# Altium PCB PCB1.PcbDoc (part 2 of 2)
Units mm, origin at the board's own origin, x right, y up, seen from the top; angles counter-clockwise.
Board outline 145 x 85 mm, 2 copper layers (Top Layer, Bottom Layer); 148 components, 104 nets, 508 pads, 93 vias.
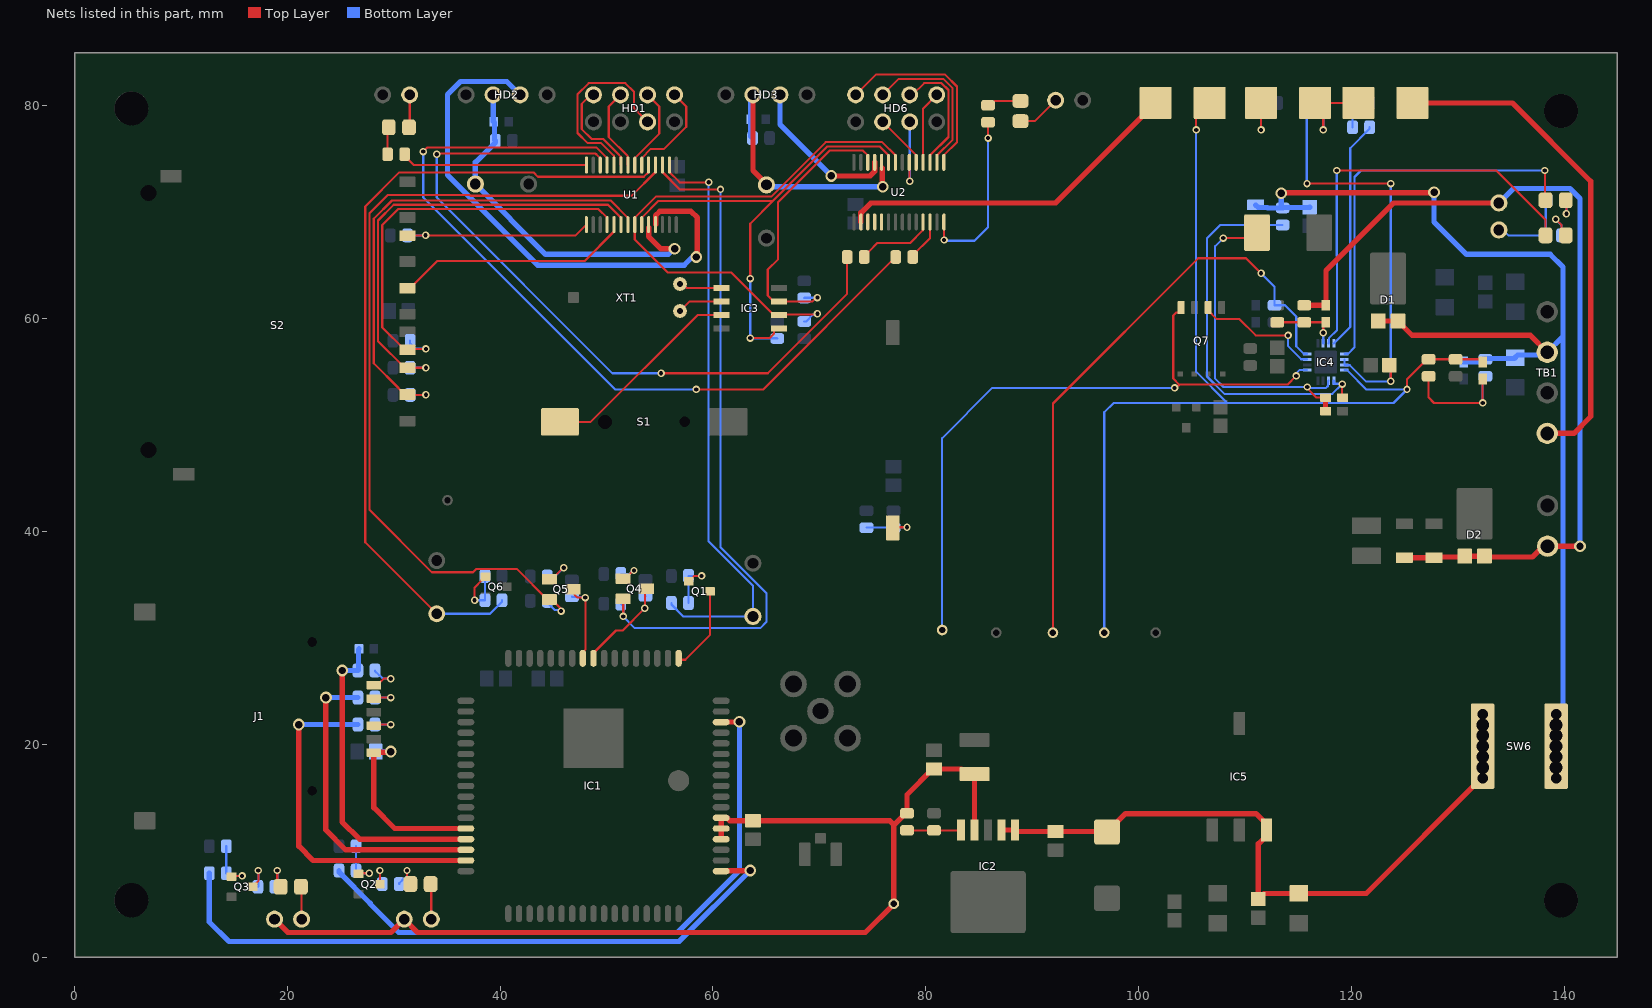
[diagram p2: the nets of this part, all layers, seen from the top]

## Via types
v1: diameter 0.7, hole 0.4, Top Layer to Bottom Layer, 67 vias
v2: diameter 1.1, hole 0.7, Top Layer to Bottom Layer, 26 vias

## Nets (pads, with @x,y where several pads share a name; then routed paths per layer and width w, separated by ;. In a path a pad name is that pad's centre, name@x,y a point inside that pad or via, vN(x,y) a via of type N, cw(c..) or ccw(c..) an arc to the next point about the centre after c; other vN are vias at no path point) (continued)
NetC26_1: C26.1 C27.1 IC4.10 L1.2 R37.1 | length 35
  Top Layer w0.2: v1(107.95,67.564) 110.617,67.564 L1.2@111.125,68.072 ; v1(115.843,53.568) 115.843,53.444 116.709,52.578 C27.1@117.564,52.578
  Top Layer w0.5: C26.1@117.564,51.308 C27.1@117.564,52.578
  Bottom Layer w0.2: R37.1@110.998,67.496 110.93,67.564 v1(107.95,67.564) 107.188,66.802 107.188,54.356 107.976,53.568 v1(115.843,53.568) 115.939,53.472 116.579,53.472 116.593,53.458 117.596,53.458 117.8,53.662 117.8,54.118 IC4.10@117.84,54.158
NetC27_2: C27.2 IC4.9 R41.2 | length 36.7
  Top Layer w0.2: v1(119.126,53.848) 119.126,52.616 C27.2@119.164,52.578
  Bottom Layer w0.2: R41.2@113.538,68.796 107.658,68.796 106.426,67.564 106.426,54.552 108.06,52.918 118.196,52.918 v1(119.126,53.848) 119.104,53.87 118.628,53.87 118.618,53.88 118.38,53.88 118.34,53.92 IC4.9@118.34,54.158
NetC28_1: C28.1 R43.2 R46.2 | length 12.1
  Top Layer w0.2: R46.2@127.254,54.572 127.254,52.578 127.762,52.07 v1(132.334,52.07) C28.1@132.334,54.318
  Bottom Layer w0.2: v1(132.334,52.07) 132.334,54.318 R43.2@132.588,54.572
NetC28_2: C28.2 IC4.8 R46.1 R49.1 SB3.2 TP7.1 | length 95.6
  Top Layer w0.2: v1(105.41,77.724) 105.41,78.994 SB3.2@106.68,80.264 ; v1(125.222,53.34) 125.222,54.29 127.104,56.172 R46.1@127.254,56.172 R49.1@129.794,56.172 132.08,56.172 C28.2@132.334,55.918
  Bottom Layer w0.2: TP7.1@96.774,30.48 96.774,51.191 97.653,52.07 108.343,52.07 ; v1(105.41,77.724) 105.41,55.003 108.343,52.07 ; IC4.8@119.34,55.158 119.6,55.158 119.64,55.118 119.64,55.104 121.404,53.34 v1(125.222,53.34) 123.952,52.07 108.343,52.07
NetC29_2: C29.2 IC4.6 IC4.7 R44.1 | length 41.1
  Top Layer w0.2: v1(115.824,72.682) v1(123.698,72.682) ; C29.2@123.557,55.626 123.698,55.485 v1(123.698,54.102)
  Bottom Layer w0.2: R44.1@115.786,80.264 115.805,80.245 115.805,72.701 v1(115.824,72.682) ; IC4.6@119.34,56.158 IC4.7@119.34,55.658 119.38,55.618 119.836,55.618 120.04,55.414 121.352,54.102 v1(123.698,54.102) v1(123.698,72.682)
NetC30_2: C30.2 IC4.2 R50.2 R53.2 | length 6.7
  Top Layer w0.2: R53.2@113.03,59.652 R50.2@115.57,59.652 C30.2@117.602,59.652 117.348,59.398 v1(117.348,58.674)
  Bottom Layer w0.2: IC4.2@117.34,57.658 117.348,57.666 v1(117.348,58.674)
NetHD1_2: HD1.2 U1.10 | length 18.3
  Top Layer w0.2: U1.10@50.699,74.428 50.684,74.443 50.684,75.3 49.492,76.492 48.222,76.492 47.268,77.446 47.268,81.082 48.312,82.126 51.764,82.126 52.578,81.312 52.578,79.756 HD1.2@53.848,78.486
NetHD1_5: HD1.5 U1.9 | length 9.4
  Top Layer w0.2: HD1.5@48.768,81.026 48.514,81.026 47.668,80.18 47.668,77.808 48.584,76.892 49.658,76.892 51.084,75.465 51.33,75.22 51.33,74.447 U1.9@51.349,74.428
NetHD1_6: HD1.6 U1.8 | length 7.8
  Top Layer w0.2: HD1.6@51.308,81.026 50.208,79.926 50.208,77.046 51.98,75.274 51.98,74.447 U1.8@51.999,74.428
NetHD1_7: HD1.7 U1.7 | length 8
  Top Layer w0.2: U1.7@52.649,74.428 52.649,75.078 54.948,77.377 54.948,79.926 HD1.7@53.848,81.026
NetHD1_8: HD1.8 U1.6 | length 9.5
  Top Layer w0.2: U1.6@53.299,74.428 53.299,75.078 54.167,75.946 55.404,75.946 57.488,78.03 57.488,79.926 HD1.8@56.388,81.026
NetHD6_2: HD6.2 U2.20 | length 7.4
  Top Layer w0.2: U2.20@78.445,74.682 78.464,74.663 78.464,72.923 v1(78.489,72.898)
  Bottom Layer w0.2: HD6.2@78.486,78.486 78.487,78.485 78.487,72.899 v1(78.489,72.898)
NetHD6_3: HD6.3 U2.19 | length 5.1
  Top Layer w0.2: HD6.3@75.946,78.486 79.095,75.337 U2.19@79.095,74.682
NetHD6_5: HD6.5 U2.15 | length 18.4
  Top Layer w0.2: HD6.5@73.406,81.026 75.306,82.926 81.813,82.926 82.926,81.813 82.926,76.563 81.695,75.332 U2.15@81.695,74.682
NetHD6_6: HD6.6 U2.16 | length 15.1
  Top Layer w0.2: HD6.6@75.946,81.026 77.446,82.526 81.647,82.526 82.526,81.647 82.526,76.813 81.045,75.332 U2.16@81.045,74.682
NetHD6_7: HD6.7 U2.17 | length 11.9
  Top Layer w0.2: HD6.7@78.486,81.026 78.74,81.026 79.84,82.126 81.482,82.126 82.126,81.482 82.126,77.063 80.395,75.332 U2.17@80.395,74.682
NetHD6_8: HD6.8 U2.18 | length 6.9
  Top Layer w0.2: U2.18@79.745,74.682 79.745,79.745 HD6.8@81.026,81.026
NetIC1_1: IC1.1 Q1.3 | length 8.1
  Top Layer w0.2: IC1.1@56.768,28.074 56.902,27.94 57.404,27.94 59.736,30.272 Q1.3@59.736,34.354
NetIC1_9: IC1.9 Q4.3 R11.2 | length 10.2
  Top Layer w0.2: IC1.9@48.768,28.074 48.768,28.574 50.881,30.687 51.515,30.687 v1(53.594,32.766) 53.594,34.452 Q4.3@53.756,34.614
  Bottom Layer w0.2: v1(53.594,32.766) 53.594,33.852 R11.2@53.656,33.914
NetIC1_10: IC1.10 Q5.3 R14.2 | length 8.8
  Top Layer w0.2: Q5.3@46.839,34.552 46.99,34.401 46.99,34.036 47.244,33.782 v1(48.006,33.782) 48.006,28.891 47.768,28.653 IC1.10@47.768,28.074
  Bottom Layer w0.2: R14.2@46.739,33.852 46.774,33.817 47.971,33.817 v1(48.006,33.782)
NetIC2_5: IC2.5 R20.2 R21.2 | length 5.1
  Top Layer w0.2: R20.2@78.232,11.9 R21.2@80.772,11.9 83.274,11.9 IC2.5@83.312,11.938
NetIC3_1: IC3.1 XT1.2 | length 4.1
  Top Layer w0.2: XT1.2@56.896,63.246 57.182,63.246 57.563,62.865 IC3.1@60.8,62.865
NetIC3_2: IC3.2 XT1.1 | length 4.3
  Top Layer w0.2: XT1.1@56.896,60.706 57.785,61.595 IC3.2@60.8,61.595
NetIC3_3: IC3.3 S1.1 | length 19.3
  Top Layer w0.2: S1.1@45.618,50.292 48.504,50.292 58.537,60.325 IC3.3@60.8,60.325
NetIC3_5: IC3.5 R25.1 U1.23 U2.23 | length 46.6
  Top Layer w0.2: U1.23@53.299,69.478 54.885,71.064 65.645,71.064 ; v1(63.5,58.166) 65.311,58.166 65.742,58.597 65.742,58.88 65.917,59.055 IC3.5@66.2,59.055 ; v1(63.5,63.754) 63.5,68.919 65.645,71.064 ; U2.23@76.495,74.682 76.495,75.332 75.645,76.182 70.763,76.182 65.645,71.064
  Bottom Layer w0.2: v1(63.5,63.754) v1(63.5,58.166) 63.519,58.147 66.021,58.147 R25.1@66.04,58.128
NetIC3_6: IC3.6 R24.1 U1.22 U2.22 | length 52.3
  Top Layer w0.2: v1(69.812,60.452) 69.748,60.389 65.661,60.389 61.724,64.326 55.758,64.326 52.649,67.435 52.649,69.478 54.635,71.464 65.48,71.464 70.598,76.582 75.895,76.582 77.145,75.332 U2.22@77.145,74.682
  Bottom Layer w0.2: R24.1@68.58,59.728 68.751,59.728 69.379,60.356 69.716,60.356 v1(69.812,60.452)
NetIC3_7: IC3.7 R23.1 U2.26 | length 26.8
  Top Layer w0.2: v1@69.85,61.976 69.715,61.976 69.334,61.595 IC3.7@66.2,61.595 65.725,61.595 65.15,62.17 65.15,64.608 66.124,65.582 66.124,70.95 70.956,75.782 74.095,75.782 74.545,75.332 U2.26@74.545,74.682
  Bottom Layer w0.2: R23.1@68.58,61.938 68.599,61.957 69.793,61.957 v1(69.812,61.976)
NetIC4_3: IC4.3 LED5.2 | length 39.6
  Top Layer w0.2: v1(118.618,73.914) 133.604,73.914 138.242,69.276 LED5.2@138.242,67.818
  Bottom Layer w0.2: IC4.3@117.84,57.658 117.88,57.698 117.88,58.154 118.654,58.928 118.654,65.827 118.618,65.863 v1(118.618,73.914)
NetIC4_4: IC4.4 R45.2 | length 21.7
  Bottom Layer w0.2: IC4.4@118.34,57.658 119.888,59.206 119.888,76.012 121.704,77.828 R45.2@121.704,77.978
NetIC4_5: IC4.5 LED6.2 | length 38.2
  Top Layer w0.2: v1(138.176,73.914) 138.176,71.186 LED6.2@138.242,71.12
  Bottom Layer w0.2: IC4.5@119.34,56.658 119.38,56.698 119.69,56.698 120.288,57.296 120.288,73.298 120.904,73.914 v1(138.176,73.914)
NetIC4_13: IC4.13 Q7.4 TP4.1 | length 63.1
  Top Layer w0.2: v1(103.378,53.482) 103.513,53.482 103.759,53.727 103.769,53.727 103.829,53.787 ; Q7.4@103.998,61.037 103.998,60.797 103.773,60.572 103.533,60.572 103.253,60.292 103.253,54.363 103.829,53.787 ; v1(114.808,54.61) 113.985,53.787 103.829,53.787
  Bottom Layer w0.2: TP4.1@81.534,30.734 81.534,48.768 86.248,53.482 v1(103.378,53.482) ; v1(114.808,54.61) 114.808,54.864 115.102,55.158 IC4.13@115.84,55.158
NetIC4_15: IC4.15 Q7.2 | length 12.1
  Top Layer w0.2: Q7.2@106.538,61.037 106.538,60.762 107.356,59.944 109.474,59.944 110.998,58.42 v1(114.046,58.42)
  Bottom Layer w0.2: v1(114.046,58.42) 114.046,57.405 115.273,56.178 115.82,56.178 IC4.15@115.84,56.158
NetIC4_16: IC4.16 R38.1 TP3.1 | length 57.5
  Top Layer w0.2: TP3.1@91.948,30.48 91.948,52.014 105.608,65.674 110.094,65.674 v1(111.506,64.262)
  Bottom Layer w0.2: v1(111.506,64.262) 112.776,62.992 R38.1@112.776,61.252 113.754,61.252 114.808,60.198 114.808,57.404 115.514,56.698 115.8,56.698 IC4.16@115.84,56.658
NetJ1_2: J1.2 R19.1 | length 3.1
  Top Layer w0.2: J1.2@28.127,21.746 28.225,21.844 v1(29.718,21.844)
  Bottom Layer w0.2: R19.1@28.232,21.844 v1(29.718,21.844)
NetJ1_3: J1.3 R18.1 | length 3.1
  Top Layer w0.2: J1.3@28.127,24.286 28.225,24.384 v1(29.718,24.384)
  Bottom Layer w0.2: R18.1@28.232,24.384 v1(29.718,24.384)
NetJ1_7: J1.7 R17.1 | length 3.7
  Top Layer w0.2: J1.7@28.127,25.556 28.427,25.856 28.754,25.856 29.06,26.162 v1(29.718,26.162)
  Bottom Layer w0.2: R17.1@28.232,26.924 28.232,26.855 28.621,26.467 28.689,26.467 28.994,26.162 v1(29.718,26.162)
NetJP1_1: JP1.1 LED1.1 | length 3.3
  Top Layer w0.2: LED1.1@33.462,6.858 33.528,6.792 JP1.1@33.528,3.556
NetJP2_1: JP2.1 LED2.1 | length 3.1
  Top Layer w0.2: LED2.1@21.27,6.604 21.336,6.538 JP2.1@21.336,3.556
NetJP3_1: JP3.1 LED3.1 | length 3.1
  Top Layer w0.2: LED3.1@31.43,77.978 31.496,78.044 JP3.1@31.496,81.026
NetJP4_1: JP4.1 LED4.1 | length 4.1
  Top Layer w0.2: LED4.1@88.9,78.552 90.236,78.552 JP4.1@92.202,80.518
NetJP5_1: JP5.1 R51.1 R52.1 | length 7.9
  Bottom Layer w0.2: JP5.1@133.858,68.326 134.237,68.326 134.745,67.818 R51.1@138.138,67.818 138.265,67.945 138.265,70.993 R52.1@138.392,71.12
NetLED1_2: LED1.2 R2.2 | length 3
  Top Layer w0.2: v1(31.242,8.128) 31.258,8.112 31.258,7.162 LED1.2@31.562,6.858
  Bottom Layer w0.2: R2.2@30.518,6.858 30.518,6.927 30.963,7.372 31.032,7.372 31.242,7.582 v1(31.242,8.128)
NetLED2_2: LED2.2 R3.2 | length 3.3
  Top Layer w0.2: v1(19.05,8.128) 19.05,6.924 LED2.2@19.37,6.604
  Bottom Layer w0.2: R3.2@18.834,6.604 19.05,6.82 v1(19.05,8.128)
NetLED3_2: LED3.2 R26.1 | length 2.6
  Top Layer w0.2: R26.1@29.426,75.438 29.426,77.874 LED3.2@29.53,77.978
NetLED4_2: LED4.2 R28.1 | length 3.2
  Top Layer w0.2: R28.1@85.852,80.048 86.083,80.048 86.487,80.452 LED4.2@88.9,80.452
NetLED5_1: LED5.1 R51.2 | length 3.7
  Top Layer w0.2: v1(139.192,69.342) 139.731,68.803 139.731,68.229 LED5.1@140.142,67.818
  Bottom Layer w0.2: v1(139.192,69.342) 139.192,69.3 139.738,68.754 R51.2@139.738,67.818
NetLED6_1: LED6.1 R52.2 | length 2.7
  Top Layer w0.2: LED6.1@140.142,71.12 140.208,71.054 v1(140.208,69.85)
  Bottom Layer w0.2: R52.2@139.992,71.12 140.208,70.904 v1(140.208,69.85)
NETLIGHT: IC1.52 R6.2 | length 61.7
  Top Layer w0.5: IC1.52@60.768,8.074 60.787,8.093 63.465,8.093 v2(63.5,8.128)
  Bottom Layer w0.5: R6.2@12.662,7.874 12.662,3.305 14.517,1.45 56.822,1.45 v2(63.5,8.128)
NetQ1_1: Q1.1 R1.2 R4.1 | length 5.2
  Top Layer w0.2: Q1.1@57.736,35.304 57.786,35.304 58.086,35.604 58.086,35.654 58.246,35.814 v1(58.928,35.814)
  Bottom Layer w0.2: R1.2@57.696,33.274 R4.1@57.696,35.814 v1(58.928,35.814)
NetQ2_1: Q2.1 R5.1 R7.1 | length 4.7
  Top Layer w0.2: Q2.1@26.686,7.808 26.752,7.874 v1(27.686,7.874)
  Bottom Layer w0.2: R7.1@26.454,10.414 R5.1@26.454,8.128 26.708,7.874 v1(27.686,7.874)
NetQ2_3: Q2.3 R2.1 | length 2.6
  Top Layer w0.2: Q2.3@28.686,6.858 28.702,6.874 v1(28.702,8.128)
  Bottom Layer w0.2: v1(28.702,8.128) 28.702,7.074 R2.1@28.918,6.858
NetQ3_1: Q3.1 R6.1 R8.1 | length 5.2
  Top Layer w0.2: Q3.1@14.748,7.554 14.814,7.62 v1(15.748,7.62)
  Bottom Layer w0.2: R8.1@14.262,10.414 R6.1@14.262,7.874 14.516,7.62 v1(15.748,7.62)
NetQ3_3: Q3.3 R3.1 | length 3.3
  Top Layer w0.2: Q3.3@16.748,6.604 16.798,6.604 17.098,6.904 17.098,6.954 17.272,7.128 v1(17.272,8.128)
  Bottom Layer w0.2: R3.1@17.234,6.604 17.272,6.642 v1(17.272,8.128)
NetQ4_1: Q4.1 R9.1 | length 2.7
  Top Layer w0.2: Q4.1@51.556,35.564 51.756,35.564 52.514,36.322 v1(52.578,36.322)
  Bottom Layer w0.2: R9.1@51.346,35.99 52.146,35.99 52.478,36.322 v1(52.578,36.322)
NetQ4_2: Q4.2 R10.2 U1.3 | length 66.3
  Top Layer w0.2: Q4.2@51.556,33.664 51.562,33.658 v1(51.562,32.004) ; U1.3@55.249,74.428 55.249,73.778 56.891,72.136 v1(60.706,72.136)
  Bottom Layer w0.2: R10.2@51.346,33.196 51.562,32.98 v1(51.562,32.004) 52.662,30.904 64.432,30.904 65.024,31.496 65.024,34.178 60.706,38.496 v1(60.706,72.136)
NetQ5_1: Q5.1 R12.1 | length 3.7
  Top Layer w0.2: Q5.1@44.639,35.502 44.839,35.502 45.913,36.576 v1(45.974,36.576)
  Bottom Layer w0.2: R12.1@44.429,35.758 44.439,35.768 45.166,35.768 v1(45.974,36.576)
NetQ5_2: Q5.2 R13.2 U1.4 | length 81.2
  Top Layer w0.2: v1(45.72,32.512) 45.72,32.721 44.839,33.602 Q5.2@44.639,33.602 44.439,33.602 41.593,36.448 37.732,36.448 37.442,36.158 33.58,36.158 27.721,42.017 27.721,69.885 29.464,71.628 37.132,71.628 37.216,71.544 52.365,71.544 54.599,73.778 U1.4@54.599,74.428
  Bottom Layer w0.2: R13.2@44.429,33.472 44.429,33.322 45.143,32.608 45.624,32.608 v1(45.72,32.512)
NetQ6_1: Q6.1 R15.2 R16.1 | length 5.9
  Top Layer w0.2: v1(37.592,33.528) 37.592,34.716 38.274,35.398 38.274,35.448 38.574,35.748 Q6.1@38.624,35.748
  Bottom Layer w0.2: v1(37.592,33.528) R15.2@38.57,33.528 R16.1@38.57,35.814
NetR1_1: R1.1 SW1.1 U1.2 | length 55.5
  Top Layer w0.2: U1.2@55.899,74.428 55.899,73.778 56.876,72.801 v1(59.592,72.801)
  Bottom Layer w0.2: R1.1@56.096,33.274 56.096,33.124 57.216,32.004 SW1.1@63.754,32.004 63.754,34.883 59.592,39.045 v1(59.592,72.801)
NetR15_1: R15.1 SW2.1 U1.5 | length 76.8
  Top Layer w0.2: SW2.1@34.036,32.258 27.321,38.973 27.321,70.539 30.526,73.744 43.128,73.744 43.544,73.328 53.499,73.328 53.949,73.778 U1.5@53.949,74.428
  Bottom Layer w0.2: SW2.1@34.036,32.258 39.05,32.258 40.17,33.378 R15.1@40.17,33.528
NetR26_2: R26.2 U1.14 | length 17.6
  Top Layer w0.2: R26.2@31.026,75.438 31.026,75.288 31.886,74.428 U1.14@48.099,74.428
NetR28_2: R28.2 U2.14 | length 16.3
  Top Layer w0.2: U2.14@81.695,69.082 81.714,69.063 v1(81.714,67.384) ; v1(85.852,76.962) R28.2@85.852,78.448
  Bottom Layer w0.2: v1(81.714,67.384) 81.788,67.31 84.582,67.31 85.852,68.58 v1(85.852,76.962)
NetR29_1: R29.1 U2.11 | length 7.4
  Top Layer w0.2: R29.1@74.206,65.786 74.206,65.855 74.685,66.334 75.447,67.096 78.526,67.096 79.726,68.296 79.726,69.063 U2.11@79.745,69.082
NetR29_2: R29.2 U1.12 | length 72.3
  Top Layer w0.2: v1(34.036,75.442) 34.122,75.528 48.935,75.528 49.021,75.442 49.035,75.442 49.399,75.078 U1.12@49.399,74.428 ; v1(55.118,54.864) 65.143,54.864 72.606,62.327 R29.2@72.606,65.786
  Bottom Layer w0.2: v1(34.036,75.442) 34.036,71.374 50.546,54.864 v1(55.118,54.864)
NetR30_1: R30.1 U2.12 | length 4
  Top Layer w0.2: R30.1@78.778,65.786 78.778,65.936 80.395,67.553 U2.12@80.395,69.082
NetR30_2: R30.2 U1.11 | length 79.9
  Top Layer w0.2: v1(32.766,75.692) 33.166,76.092 49.035,76.092 50.049,75.078 U1.11@50.049,74.428 ; v1(58.42,53.34) 64.732,53.34 76.721,65.329 76.789,65.329 77.178,65.717 R30.2@77.178,65.786
  Bottom Layer w0.2: v1(32.766,75.692) 32.766,71.374 50.8,53.34 v1(58.42,53.34)
NetR31_1: R31.1 S2.1 U1.21 | length 47.1
  Top Layer w0.2: v1(33.02,52.832) 31.303,52.832 S2.1@31.271,52.864 31.021,52.864 30.621,53.264 30.621,53.292 30.451,53.462 30.44,53.473 28.121,55.792 28.121,69.384 29.831,71.094 50.383,71.094 51.999,69.478 U1.21@51.999,68.828
  Bottom Layer w0.2: R31.1@31.534,52.832 v1(33.02,52.832)
NetR32_1: R32.1 S2.2 U1.20 | length 43
  Top Layer w0.2: v1(33.02,55.372) 31.279,55.372 S2.2@31.271,55.364 31.021,55.364 28.521,57.864 28.521,69.219 29.996,70.694 50.133,70.694 51.349,69.478 U1.20@51.349,68.828
  Bottom Layer w0.2: R32.1@31.534,55.372 v1(33.02,55.372)
NetR33_1: R33.1 S2.CD U1.18 | length 39.3
  Top Layer w0.2: v1(33.02,57.15) 31.357,57.15 S2.CD@31.271,57.064 31.021,57.064 28.921,59.164 28.921,68.789 30.426,70.294 49.233,70.294 50.049,69.478 U1.18@50.049,68.828
  Bottom Layer w0.2: R33.1@31.534,57.912 31.534,57.683 32.05,57.166 33.004,57.166 v1(33.02,57.15)
NetR34_1: R34.1 S2.7 U1.15 | length 19
  Top Layer w0.2: S2.7@31.271,67.794 31.295,67.818 47.089,67.818 U1.15@48.099,68.828
  Bottom Layer w0.2: R34.1@31.28,67.818 v1(32.986,67.818)
NetR35_2: R35.2 R36.2 SW5.2 | length 5.2
  Top Layer w0.2: SW5.2@76.896,40.332 76.95,40.386 v1(78.232,40.386)
  Bottom Layer w0.2: R35.2@74.422,40.348 R36.2@76.962,40.348 76.981,40.367 78.213,40.367 v1(78.232,40.386)
NetR44_2: R44.2 R45.1 R48.1 SB1.1 SB2.1 | length 14.5
  Top Layer w0.2: v1(117.348,77.724) 117.348,79.502 SB2.1@116.586,80.264 SB1.1@120.65,80.264
  Bottom Layer w0.2: v1(117.348,77.724) 117.367,77.743 117.367,80.245 R44.2@117.386,80.264 R48.1@120.104,80.264 R45.1@120.104,77.978
NetR47_1: R47.1 SB2.2 | length 5.1
  Top Layer w0.2: v1(111.506,77.724) SB2.2@111.506,80.264
  Bottom Layer w0.2: R47.1@111.468,80.264 111.487,80.245 111.487,77.743 v1(111.506,77.724)
NetS2_5: S2.5 U1.19 | length 22.3
  Top Layer w0.2: S2.5@31.271,62.864 31.521,62.864 34.071,65.414 47.935,65.414 50.699,68.178 U1.19@50.699,68.828
NetSB1_2: SB1.2 TB1.4 | length 46.7
  Top Layer w0.5: SB1.2@125.73,80.264 135.128,80.264 142.494,72.898 142.494,50.8 140.906,49.212 TB1.4@138.4,49.212
NetSB3_1: SB3.1 U2.2 | length 32.8
  Top Layer w0.5: U2.2@73.895,69.082 73.895,69.931 74.83,70.866 92.202,70.866 SB3.1@101.6,80.264
NetU2_3: U2.3
NetU2_4: U2.4
NetU2_5: U2.5
RST: C11.1 HD2.3 R22.1 SW3.2 U1.24 | length 34.7
  Top Layer w0.5: U1.24@53.949,68.566 53.949,67.717 55.118,66.548 v2(56.388,66.548)
  Bottom Layer w0.5: HD2.3@39.332,81.026 39.363,80.995 39.363,78.517 C11.1@39.394,78.486 39.471,78.409 39.471,76.785 R22.1@39.548,76.708 39.548,76.558 37.672,74.682 SW3.2@37.672,72.644 44.276,66.04 55.795,66.04 56.303,66.548 v2(56.388,66.548)
RST2: C12.1 HD3.3 R27.1 SW4.2 U2.24 | length 26
  Top Layer w0.5: HD3.3@63.754,81.026 63.754,73.907 65.024,72.637 SW4.2@65.024,72.564 ; U2.24@75.895,74.132 75.895,72.441 v2(75.946,72.39)
  Bottom Layer w0.5: R27.1@63.716,76.962 63.562,77.116 63.562,80.834 HD3.3@63.754,81.026 ; SW4.2@65.024,72.564 65.198,72.39 v2(75.946,72.39)
SIM_CLK: IC1.32 R18.2 | length 29.4
  Top Layer w0.5: v2(23.622,24.384) 23.622,11.938 25.486,10.074 IC1.32@36.768,10.074
  Bottom Layer w0.5: v2(23.622,24.384) R18.2@26.632,24.384
SIM_DATA: C4.1 IC1.31 R17.2 | length 30.1
  Top Layer w0.5: v2(25.146,26.924) 25.146,12.7 26.772,11.074 IC1.31@36.768,11.074
  Bottom Layer w0.5: v2(25.146,26.924) R17.2@26.632,26.924 26.682,26.974 26.682,28.906 C4.1@26.732,28.956
SIM_RST: IC1.33 R19.2 | length 33.2
  Top Layer w0.5: v2(21.082,21.844) 21.082,10.414 22.422,9.074 IC1.33@36.768,9.074
  Bottom Layer w0.5: v2(21.082,21.844) R19.2@26.632,21.844
SIM_VDD: C5.1 IC1.30 J1.1 | length 17.7
  Top Layer w0.5: v2(29.718,19.304) 29.669,19.255 28.176,19.255 J1.1@28.127,19.206 28.127,14.037 30.09,12.074 IC1.30@36.768,12.074
  Bottom Layer w0.5: C5.1@28.307,19.304 v2(29.718,19.304)
STATUS: IC1.66 R5.2 | length 58.3
  Top Layer w0.5: IC1.66@60.768,22.074 60.78,22.086 62.472,22.086 v2(62.484,22.098)
  Bottom Layer w0.5: R5.2@24.854,8.128 24.854,7.978 27.787,5.045 27.787,4.989 30.47,2.306 56.662,2.306 62.484,8.128 v2(62.484,22.098)
TEST: HD2.2 U1.25 | length 51.5
  Top Layer w0.5: U1.25@54.61,68.844 54.61,69.688 55,70.078 55.498,70.078 56.108,70.078 57.938,70.078 58.535,69.481 58.535,65.901 v2(58.42,65.786)
  Bottom Layer w0.5: HD2.2@41.872,81.026 40.622,82.276 36.274,82.276 35.052,81.054 35.052,73.496 43.524,65.024 57.303,65.024 57.95,65.671 58.305,65.671 v2(58.42,65.786)
TEST2: HD3.2 U2.25 | length 14.7
  Top Layer w0.5: v2(71.12,73.406) 74.768,73.406 75.195,73.833 U2.25@75.195,74.682
  Bottom Layer w0.5: HD3.2@66.294,81.026 66.294,78.232 v2(71.12,73.406)
VBAT: C6.1 C7.1 C31.1 C33.1 IC2.1 IC2.2 IC5.3 SW6.2 | length 65.2
  Top Layer w0.5: IC2.2@87.122,11.938 IC2.1@88.392,11.938 88.392,11.927 88.522,11.797 C7.1@92.202,11.797 96.987,11.797 C6.1@97.028,11.756 97.058,11.756 98.77,13.468 111.029,13.468 112.014,12.483 IC5.3@112.014,11.938 112.014,11.393 111.252,10.631 C33.1@111.252,5.447 111.777,5.972 C31.1@115.062,5.972 121.394,5.972 132.234,16.812 SW6.2@132.334,16.812 SW6.2@132.334,17.812 SW6.2@132.334,18.812 SW6.2@132.334,19.812 SW6.2@132.334,20.812 SW6.2@132.334,21.812 SW6.2@132.334,22.812
VPIN: C30.1 D2.1 D2.2 JP5.2 R39.1 R40.1 R50.1 TB2.2 | length 82.4
  Top Layer w0.5: R50.1@115.57,61.252 C30.1@117.602,61.252 117.602,64.516 123.952,70.866 JP5.2@133.858,70.866 ; R39.1@124.968,37.524 R40.1@127.762,37.524 127.837,37.599 130.577,37.599 D2.2@130.652,37.674 D2.1@132.492,37.674 132.574,37.592 137.008,37.592 138.024,38.608 v2(141.478,38.608)
  Bottom Layer w0.5: JP5.2@133.858,70.866 135.212,72.22 140.532,72.22 141.478,71.274 v2(141.478,38.608)
VPOUT: C20.1 C21.1 C24.2 D1.1 D1.2 R37.2 R41.1 R43.1 SW6.1 TB1.2 | length 113.5
  Top Layer w0.5: v2(113.399,71.767) 113.456,71.825 127.705,71.825 v2(127.762,71.882) ; D1.2@122.524,59.772 D1.1@124.364,59.772 124.364,59.767 124.809,59.322 124.814,59.322 125.716,58.42 136.812,58.42 TB1.2@138.4,56.832
  Bottom Layer w0.5: R37.2@110.998,70.68 111.248,70.43 112.104,70.43 112.138,70.396 R41.1@113.538,70.396 ; v2(113.399,71.767) 113.399,70.535 R41.1@113.538,70.396 ; C21.1@116.078,70.471 116.04,70.433 113.575,70.433 R41.1@113.538,70.396 ; v2(127.762,71.882) 127.762,69.088 130.81,66.04 138.684,66.04 139.88,64.844 139.88,58.312 ; C24.2@130.556,55.918 132.184,55.918 132.515,56.249 135.305,56.249 C20.1@135.382,56.327 135.635,56.579 138.147,56.579 TB1.2@138.4,56.832 139.88,58.312 ; SW6.1@139.234,16.812 SW6.1@139.234,17.812 SW6.1@139.234,18.812 SW6.1@139.234,19.812 SW6.1@139.234,20.812 SW6.1@139.234,21.812 SW6.1@139.234,22.812 139.88,23.458 139.88,58.312
VSIM: C2.1 C8.1 C9.1 IC1.55 IC1.56 IC1.57 IC2.4 JP1.2 JP2.2 R20.1 TP2.1 | length 103
  Top Layer w0.5: JP2.2@18.796,3.556 20.046,2.306 29.738,2.306 JP1.2@30.988,3.556 32.238,2.306 74.306,2.306 TP2.1@77,5 77,12.418 ; IC1.55@60.768,11.074 IC1.56@60.768,12.074 IC1.57@60.768,13.074 61.295,13.074 61.556,12.813 C2.1@63.754,12.813 76.605,12.813 77,12.418 ; IC2.4@84.582,11.938 C8.1@84.582,17.196 83.832,17.196 83.361,17.667 C9.1@80.772,17.667 80.647,17.667 78.232,15.252 R20.1@78.232,13.5 78.082,13.5 77,12.418
pads on no net: D3.3 Hole1.1 Hole2.1 Hole3.1 Hole4.1 IC1.2 IC1.3 IC1.4 IC1.5 IC1.6 IC1.7 IC1.8 IC1.11 IC1.12 IC1.13 IC1.14 IC1.19 IC1.20 IC1.21 IC1.22 IC1.23 IC1.24 IC1.25 IC1.26 IC1.27 IC1.28 IC1.34 IC1.35 IC1.36 IC1.37 IC1.38 IC1.40 IC1.41 IC1.42 IC1.43 IC1.44 IC1.47 IC1.48 IC1.49 IC1.50 IC1.51 IC1.67 IC1.68 IC1.69 IC1.70 J1.6 J1.HOLE1 J1.HOLE2 J1.PAD1 J1.PAD2 S1.hole1 S1.hole2 S2.8 S2.9 S2.GND1 S2.GND2 S2.HOLE S2.HOLE1 S2.WP U1.13 U1.16 U1.17 U1.26 U1.27 U2.6 U2.7 U2.8 U2.9 U2.13 U2.21 U2.27

## Polygon pours and split planes (outlines as drawn)
GND on Top Layer "GND_L01_P000" (solid, pour order 0): 0,0 145.034,0 145.034,85.09 144.947,85.003 0.001,85.003
GND on Bottom Layer "GND_L02_P001" (solid, pour order 1): 0,0 145.034,0 145.034,85.09 0,85.09

## Keep-outs
Keep-Out Layer:
  the board outline again, w2

## Silkscreen, mask and mechanical layers (free items; w line width, h text height)
Mechanical 1:
  lines w0.3: 85.027,40.326 130.027,40.326 ; 85.027,55.576 130.027,55.576 ; 85.027,70.826 130.027,70.826 ; 85.048,36.576 85.048,74.576 130.048,74.576 130.048,36.576 85.048,36.576
Drill Drawing:
  circle w0.254: c-21.289,125.053 r0.847
  lines w0.254: -22.135,105.156 -20.442,105.156 -20.442,106.849 -22.135,106.849 -22.135,105.156 ; -22.135,109.389 -21.712,109.389 -21.289,108.966 -20.865,109.389 -20.442,109.389 -20.865,109.813 -20.442,110.236 -20.865,110.236 -21.289,110.659 -21.712,110.236 -22.135,110.236 -21.712,109.813 -22.135,109.389 ; -22.135,114.469 -20.442,114.469 -21.289,112.776 -22.135,114.469 ; -22.135,118.279 -20.442,118.279 -21.289,116.586 -22.135,118.279 ; -22.135,120.396 -20.442,120.396 -20.442,122.089 -22.135,122.089 -22.135,120.396 ; -22.135,128.016 -22.135,128.439 -21.712,128.863 -22.135,129.286 -22.135,129.709 -21.712,129.709 -21.289,129.286 -20.865,129.709 -20.442,129.709 -20.442,129.286 -20.865,128.863 -20.442,128.439 -20.442,128.016 -20.865,128.016 -21.289,128.439 -21.712,128.016 -22.135,128.016 ; -22.135,132.673 -21.289,131.826 -20.442,132.673 -21.289,133.519 -22.135,132.673 ; -22.135,135.636 -21.289,136.059 -20.442,135.636 -20.865,136.483 -20.442,137.329 -21.289,136.906 -22.135,137.329 -21.712,136.483 -22.135,135.636 ; -22.135,139.869 -21.712,139.869 -21.712,139.446 -20.865,139.446 -20.865,139.869 -20.442,139.869 -20.442,140.716 -20.865,140.716 -20.865,141.139 -21.712,141.139 -21.712,140.716 -22.135,140.716 -22.135,139.869 ; -21.797,105.495 -20.781,105.495 -20.781,106.511 -21.797,106.511 -21.797,105.495 ; -21.797,114.131 -20.781,114.131 -21.289,113.115 -21.797,114.131
  lines w0.381: -23.654,104.013 273.645,104.013 ; -23.654,142.113 273.645,142.113 ; -9.662,100.203 -9.662,145.923 ; 5.32,100.203 5.32,145.923 ; 34.522,100.203 34.522,145.923 ; 47.371,100.203 47.371,145.923 ; 66.01,100.203 66.01,145.923 ; 104.098,100.203 104.098,145.923 ; 119.08,100.203 119.08,145.923 ; 146.758,100.203 146.758,145.923 ; 183.069,100.203 183.069,145.923 ; 204.755,100.203 204.755,145.923 ; 238.629,100.203 238.629,145.923 ; -23.654,100.203 273.645,100.203 273.645,145.923 -23.654,145.923 -23.654,100.203
  text "Symbol" at -21.368,143.256 h1.83
  text "Count" at -8.519,143.256 h1.83
  text "Hole Size" at 6.463,143.256 h1.83
  text "Plated" at 35.665,143.256 h1.83
  text "Hole Type" at 48.514,143.256 h1.83
  text "Drill Layer Pair" at 67.153,143.256 h1.83
  text "Via/Pad" at 105.241,143.256 h1.83
  text "Pad Shape" at 120.223,143.256 h1.83
  text "Template" at 147.901,143.256 h1.83
  text "Description" at 184.212,143.256 h1.83
  text "Hole Tolerance (+)" at 205.898,143.256 h1.83
  text "Hole Tolerance (-)" at 239.772,143.256 h1.83
  text "2" at -8.519,139.446 h1.52
  text "0.900mm (35.43mil)" at 6.463,139.446 h1.52
  text "PTH" at 35.665,139.446 h1.52
  text "Round" at 48.514,139.446 h1.52
  text "Top Layer - Bottom Layer" at 67.153,139.446 h1.52
  text "Pad" at 105.241,139.446 h1.52
  text "Rounded Rectangle" at 120.223,139.446 h1.52
  text "s0h90r10m10" at 147.901,139.446 h1.52
  text "3" at -8.519,135.636 h1.52
  text "1.500mm (59.06mil)" at 6.463,135.636 h1.52
  text "PTH" at 35.665,135.636 h1.52
  text "Round" at 48.514,135.636 h1.52
  text "Top Layer - Bottom Layer" at 67.153,135.636 h1.52
  text "Pad" at 105.241,135.636 h1.52
  text "Rounded" at 120.223,135.636 h1.52
  text "(Mixed)" at 147.901,135.636 h1.52
  text "4" at -8.519,131.826 h1.52
  text "1.600mm (62.99mil)" at 6.463,131.826 h1.52
  text "PTH" at 35.665,131.826 h1.52
  text "Round" at 48.514,131.826 h1.52
  text "Top Layer - Bottom Layer" at 67.153,131.826 h1.52
  text "Pad" at 105.241,131.826 h1.52
  text "Rounded" at 120.223,131.826 h1.52
  text "c250h160m260" at 147.901,131.826 h1.52
  text "4" at -8.519,128.016 h1.52
  text "3.200mm (125.98mil)" at 6.463,128.016 h1.52
  text "PTH" at 35.665,128.016 h1.52
  text "Round" at 48.514,128.016 h1.52
  text "Top Layer - Bottom Layer" at 67.153,128.016 h1.52
  text "Pad" at 105.241,128.016 h1.52
  text "Rounded" at 120.223,128.016 h1.52
  text "c320h320m330" at 147.901,128.016 h1.52
  text "7" at -8.519,124.206 h1.52
  text "1.300mm (51.18mil)" at 6.463,124.206 h1.52
  text "PTH" at 35.665,124.206 h1.52
  text "Round" at 48.514,124.206 h1.52
  text "Top Layer - Bottom Layer" at 67.153,124.206 h1.52
  text "Pad" at 105.241,124.206 h1.52
  text "Rounded" at 120.223,124.206 h1.52
  text "(Mixed)" at 147.901,124.206 h1.52
  text "9" at -8.519,120.396 h1.52
  text "0.600mm (23.62mil)" at 6.463,120.396 h1.52
  text "PTH" at 35.665,120.396 h1.52
  text "Round" at 48.514,120.396 h1.52
  text "Top Layer - Bottom Layer" at 67.153,120.396 h1.52
  text "Pad" at 105.241,120.396 h1.52
  text "Rounded" at 120.223,120.396 h1.52
  text "(Mixed)" at 147.901,120.396 h1.52
  text "10" at -8.519,116.586 h1.52
  text "1.200mm (47.24mil)" at 6.463,116.586 h1.52
  text "PTH" at 35.665,116.586 h1.52
  text "Round" at 48.514,116.586 h1.52
  text "Top Layer - Bottom Layer" at 67.153,116.586 h1.52
  text "Pad" at 105.241,116.586 h1.52
  text "Rounded Rectangle" at 120.223,116.586 h1.52
  text "r220_130h120r10m230_140" at 147.901,116.586 h1.52
  text "26" at -8.519,112.776 h1.52
  text "0.700mm (27.56mil)" at 6.463,112.776 h1.52
  text "PTH" at 35.665,112.776 h1.52
  text "Round" at 48.514,112.776 h1.52
  text "Top Layer - Bottom Layer" at 67.153,112.776 h1.52
  text "Via" at 105.241,112.776 h1.52
  text "Rounded" at 120.223,112.776 h1.52
  text "v110h70" at 147.901,112.776 h1.52
  text "47" at -8.519,108.966 h1.52
  text "1.000mm (39.37mil)" at 6.463,108.966 h1.52
  text "PTH" at 35.665,108.966 h1.52
  text "Round" at 48.514,108.966 h1.52
  text "Top Layer - Bottom Layer" at 67.153,108.966 h1.52
  text "Pad" at 105.241,108.966 h1.52
  text "(Mixed)" at 120.223,108.966 h1.52
  text "(Mixed)" at 147.901,108.966 h1.52
  text "67" at -8.519,105.156 h1.52
  text "0.400mm (15.75mil)" at 6.463,105.156 h1.52
  text "PTH" at 35.665,105.156 h1.52
  text "Round" at 48.514,105.156 h1.52
  text "Top Layer - Bottom Layer" at 67.153,105.156 h1.52
  text "Via" at 105.241,105.156 h1.52
  text "Rounded" at 120.223,105.156 h1.52
  text "v70h40" at 147.901,105.156 h1.52
  text "179 Total" at -8.519,101.346 h1.52

## Dimensions
130.048,74.576 to 130.048,36.576 on Mechanical 10
85.048,74.576 to 130.048,74.576 on Mechanical 10
0,85 to 0,0 on Mechanical 10
0,85 to 145,85 on Mechanical 10

## Text inside footprints (layer, text, board x,y; h text height)
ANT2: Mechanical 1 "ANT?" at 70.104,9.652 h0.5 r90
C1: Mechanical 1 "C?" at 44.45,26.162 h0.5 r180
C2: Mechanical 1 "C?" at 63.754,11.938 h0.5 r270
C3: Mechanical 1 "C?" at 39.624,26.162 h0.5
C4: Mechanical 1 "C?" at 27.432,28.956 h0.5 r180
C5: Mechanical 1 "C?" at 27.432,19.304 h0.5
C7: Mechanical 1 "C?" at 92.202,10.922 h0.5 r270
C8: Mechanical 1 "C?" at 84.582,18.796 h1 r90
C9: Mechanical 1 "C?" at 80.772,18.542 h0.5 r90
C10: Mechanical 1 "C?" at 56.642,73.406 h0.5 r90
C11: Mechanical 1 "C?" at 40.094,78.486 h0.5 r180
C12: Mechanical 1 "C?" at 64.262,78.74 h0.5 r180
C13: Mechanical 1 "C?" at 73.406,69.85 h0.5 r90
C14: Mechanical 1 "C?" at 30.48,60.706 h0.5
C15: Mechanical 1 "C?" at 76.962,45.212 h0.5 r270
C16: Mechanical 1 "C?" at 135.382,62.04 h0.8 r270
C17: Mechanical 1 "C?" at 132.588,62.484 h0.5 r270
C18: Mechanical 1 "C?" at 128.778,62.484 h0.8 r270
C19: Mechanical 1 "C?" at 110.998,60.452 h0.5 r270
C20: Mechanical 1 "C?" at 135.382,54.927 h0.8 r90
C21: Mechanical 1 "C?" at 116.078,69.596 h0.5 r90
C22: Mechanical 1 "C?" at 113.03,56.388 h0.5 r270
C23: Mechanical 1 "C?" at 121.412,39.116 h0.8 r270
C24: Mechanical 1 "C?" at 130.556,55.118 h0.5 r270
C25: Mechanical 1 "C?" at 107.696,50.8 h0.5 r90
C26: Mechanical 1 "C?" at 118.364,51.308 h0.5
C27: Mechanical 1 "C?" at 118.364,52.578 h0.5
C28: Mechanical 1 "C?" at 132.334,55.118 h0.5 r90
C29: Mechanical 1 "C?" at 122.682,55.626 h0.5
C30: Mechanical 1 "C?" at 117.602,60.452 h0.5 r270
C31: Mechanical 1 "C?" at 115.062,4.572 h0.8 r270
C32: Mechanical 1 "C?" at 107.442,4.572 h0.8 r90
C33: Mechanical 1 "C?" at 111.252,4.572 h0.5 r270
C34: Mechanical 1 "C?" at 103.378,4.318 h0.5 r90
D1: Mechanical 1 "K" at 123.344,61.754 h0.5; Mechanical 1 "A2" at 122.144,59.254 h0.5; Mechanical 1 "A1" at 124.044,59.254 h0.5; Mechanical 1 "D?" at 123.444,63.754 h1
D2: Mechanical 1 "K" at 131.472,39.656 h0.5; Mechanical 1 "A2" at 130.272,37.156 h0.5; Mechanical 1 "A1" at 132.172,37.156 h0.5; Mechanical 1 "D?" at 131.572,41.656 h1
D3: Mechanical 1 "D?" at 104.482,50.726 h0.6 r180; Mechanical 1 "NC" at 103.832,51.976 h0.4 r180; Mechanical 1 "A" at 105.582,52.026 h0.4 r180; Mechanical 1 "K" at 104.582,49.826 h0.4 r180
HD1: Mechanical 1 "5" at 49.008,81.506 h1 r180; Mechanical 1 "4" at 49.108,78.956 h1 r180; Mechanical 1 "8" at 56.658,81.506 h1 r180; Mechanical 1 "1" at 56.558,78.886 h1 r180
HD2: Mechanical 1 "4" at 37.046,81.28 h1.2 r180; Mechanical 1 "1" at 44.666,81.28 h1.2 r180; Mechanical 1 "HD?" at 40.552,80.976 h0.8 r180
HD3: Mechanical 1 "HD?" at 64.974,80.976 h0.8 r180; Mechanical 1 "1" at 69.088,81.28 h1.2 r180; Mechanical 1 "4" at 61.468,81.28 h1.2 r180
HD6: Mechanical 1 "5" at 73.646,81.506 h1 r180; Mechanical 1 "4" at 73.746,78.956 h1 r180; Mechanical 1 "8" at 81.296,81.506 h1 r180; Mechanical 1 "1" at 81.196,78.886 h1 r180
IC1: Mechanical 1 "17" at 40.386,27.534 h1.2 r270; Mechanical 1 "18" at 37.308,24.456 h1.2 r270; Mechanical 1 "34" at 37.308,8.454 h1.2 r270; Mechanical 1 "35" at 40.386,5.63 h1.2 r270; Mechanical 1 "51" at 56.388,5.63 h1.2 r270; Mechanical 1 "52" at 59.466,8.454 h1.2 r270; Mechanical 1 "68" at 59.466,24.71 h1.2 r270
IC2: Mechanical 1 "IC?" at 86.952,7.378 h1 r180; Mechanical 1 "EN" at 88.192,12.338 h0.4 r270; Mechanical 1 "TAB" at 86.492,5.738 h0.6 r180; Mechanical 1 "IN" at 86.892,12.338 h0.4 r270; Mechanical 1 "GND" at 85.692,12.438 h0.4 r270; Mechanical 1 "OUT" at 84.392,12.438 h0.4 r270; Mechanical 1 "ADJ" at 83.192,12.438 h0.4 r270
IC3: Mechanical 1 "8" at 66,62.96 h0.4 r270; Mechanical 1 "5" at 66,59.16 h0.4 r270; Mechanical 1 "4" at 60.6,59.16 h0.4 r270; Mechanical 1 "1" at 60.6,62.96 h0.4 r270; Mechanical 1 "IC?" at 63.5,60.96 h1 r270
IC4: Mechanical 1 "4" at 118.44,57.458 h0.4 r180; Mechanical 1 "5" at 119.14,56.858 h0.4 r90; Mechanical 1 "8" at 119.14,55.058 h0.4 r90; Mechanical 1 "9" at 118.54,54.658 h0.4 r180; Mechanical 1 "12" at 116.44,54.658 h0.4 r180; Mechanical 1 "13" at 116.44,55.458 h0.4 r90; Mechanical 1 "16" at 116.44,56.858 h0.4 r90
IC5: Mechanical 1 "IC?" at 108.074,19.538 h1; Mechanical 1 "OUT" at 107.974,21.638 h1; Mechanical 1 "IN" at 112.474,15.738 h1 r90; Mechanical 1 "OUT" at 109.974,15.738 h1 r90; Mechanical 1 "GND" at 107.374,15.738 h1 r90
J1: Mechanical 1 "J?" at 22.352,22.606 h1 r270; Mechanical 1 "7" at 25.852,26.106 h1 r270; Mechanical 1 "3" at 25.852,24.706 h1 r270; Mechanical 1 "6" at 25.852,23.306 h1 r270; Mechanical 1 "2" at 25.852,21.906 h1 r270; Mechanical 1 "5" at 25.852,20.506 h1 r270; Mechanical 1 "1" at 25.852,19.106 h1 r270
JP1: Mechanical 1 "1" at 33.782,3.81 h1.2 r180; Mechanical 1 "2" at 31.242,3.81 h1.2 r180; Mechanical 1 "HD?" at 32.208,3.506 h0.8 r180
JP2: Mechanical 1 "1" at 21.59,3.81 h1.2 r180; Mechanical 1 "2" at 19.05,3.81 h1.2 r180; Mechanical 1 "HD?" at 20.016,3.506 h0.8 r180
JP3: Mechanical 1 "1" at 31.75,81.28 h1.2 r180; Mechanical 1 "2" at 29.21,81.28 h1.2 r180; Mechanical 1 "HD?" at 30.176,80.976 h0.8 r180
JP4: Mechanical 1 "1" at 91.948,80.264 h1.2; Mechanical 1 "2" at 94.488,80.264 h1.2; Mechanical 1 "HD?" at 93.522,80.568 h0.8
JP5: Mechanical 1 "1" at 134.112,68.072 h1.2 r90; Mechanical 1 "2" at 134.112,70.612 h1.2 r90; Mechanical 1 "HD?" at 133.808,69.646 h0.8 r90
Q1: Mechanical 1 "C" at 59.636,34.504 h0.4 r270; Mechanical 1 "E" at 57.436,33.504 h0.4 r270; Mechanical 1 "B" at 57.436,35.404 h0.4 r270; Mechanical 1 "Q?" at 58.736,34.384 h0.4 r270
Q2: Mechanical 1 "C" at 28.586,7.008 h0.4 r270; Mechanical 1 "E" at 26.386,6.008 h0.4 r270; Mechanical 1 "B" at 26.386,7.908 h0.4 r270; Mechanical 1 "Q?" at 27.686,6.888 h0.4 r270
Q3: Mechanical 1 "C" at 16.648,6.754 h0.4 r270; Mechanical 1 "E" at 14.448,5.754 h0.4 r270; Mechanical 1 "B" at 14.448,7.654 h0.4 r270; Mechanical 1 "Q?" at 15.748,6.634 h0.4 r270
Q4: Mechanical 1 "G" at 51.256,35.714 h0.4 r270; Mechanical 1 "S" at 51.256,33.814 h0.4 r270; Mechanical 1 "D" at 53.656,34.714 h0.4 r270; Mechanical 1 "Q?" at 52.656,34.614 h0.4 r270
Q5: Mechanical 1 "G" at 44.339,35.652 h0.4 r270; Mechanical 1 "S" at 44.339,33.752 h0.4 r270; Mechanical 1 "D" at 46.739,34.652 h0.4 r270; Mechanical 1 "Q?" at 45.739,34.552 h0.4 r270
Q6: Mechanical 1 "C" at 40.524,34.948 h0.4 r270; Mechanical 1 "E" at 38.324,33.948 h0.4 r270; Mechanical 1 "B" at 38.324,35.848 h0.4 r270; Mechanical 1 "Q?" at 39.624,34.828 h0.4 r270
Q7: Mechanical 1 "S1" at 107.518,60.962 h0.6 r270; Mechanical 1 "G1" at 106.218,60.912 h0.6 r270; Mechanical 1 "S2" at 104.968,60.912 h0.6 r270; Mechanical 1 "G2" at 103.718,60.912 h0.6 r270; Mechanical 1 "D1" at 107.018,56.112 h0.6 r270; Mechanical 1 "D2" at 104.218,56.212 h0.6 r270
R1: Mechanical 1 "R?" at 56.896,33.274 h0.5 r180
R2: Mechanical 1 "R?" at 29.718,6.858 h0.5 r180
R3: Mechanical 1 "R?" at 18.034,6.604 h0.5 r180
R4: Mechanical 1 "R?" at 56.896,35.814 h0.5
R5: Mechanical 1 "R?" at 25.654,8.128 h0.5
R6: Mechanical 1 "R?" at 13.462,7.874 h0.5
R7: Mechanical 1 "R?" at 25.654,10.414 h0.5
R8: Mechanical 1 "R?" at 13.462,10.414 h0.5
R9: Mechanical 1 "R?" at 50.546,35.99 h0.5
R10: Mechanical 1 "R?" at 50.546,33.196 h0.5 r180
R11: Mechanical 1 "R?" at 53.656,34.714 h0.5 r90
R12: Mechanical 1 "R?" at 43.629,35.758 h0.5
R13: Mechanical 1 "R?" at 43.629,33.472 h0.5 r180
R14: Mechanical 1 "R?" at 46.739,34.652 h0.5 r90
R15: Mechanical 1 "R?" at 39.37,33.528 h0.5
R16: Mechanical 1 "R?" at 39.37,35.814 h0.5 r180
R17: Mechanical 1 "R?" at 27.432,26.924 h0.5
R18: Mechanical 1 "R?" at 27.432,24.384 h0.5
R19: Mechanical 1 "R?" at 27.432,21.844 h0.5
R20: Mechanical 1 "R?" at 78.232,12.7 h0.5 r270
R21: Mechanical 1 "R?" at 80.772,12.7 h0.5 r270
R22: Mechanical 1 "R?" at 40.348,76.708 h0.5 r180
R23: Mechanical 1 "R?" at 68.58,62.738 h0.5 r270
R24: Mechanical 1 "R?" at 68.58,58.928 h0.5 r90
R25: Mechanical 1 "R?" at 66.04,58.928 h0.5 r270
R26: Mechanical 1 "R?" at 30.226,75.438 h0.5
R27: Mechanical 1 "R?" at 64.516,76.962 h0.5 r180
R28: Mechanical 1 "R?" at 85.852,79.248 h0.5 r270
R29: Mechanical 1 "R?" at 73.406,65.786 h0.5 r180
R30: Mechanical 1 "R?" at 77.978,65.786 h0.5 r180
R31: Mechanical 1 "R?" at 30.734,52.832 h0.5
R32: Mechanical 1 "R?" at 30.734,55.372 h0.5
R33: Mechanical 1 "R?" at 30.734,57.912 h0.5
R34: Mechanical 1 "R?" at 30.48,67.818 h0.5
R35: Mechanical 1 "R?" at 74.422,41.148 h0.5 r90
R36: Mechanical 1 "R?" at 76.962,41.148 h0.5 r90
R37: Mechanical 1 "R?" at 110.998,69.088 h1 r270
R38: Mechanical 1 "R?" at 112.776,60.452 h0.5 r90
R39: Mechanical 1 "R?" at 124.968,39.116 h1 r90
R40: Mechanical 1 "R?" at 127.762,39.116 h1 r90
R41: Mechanical 1 "R?" at 113.538,69.596 h0.5 r90
R42: Mechanical 1 "R?" at 110.49,56.388 h0.5 r90
R43: Mechanical 1 "R?" at 132.588,55.372 h0.5 r90
R44: Mechanical 1 "R?" at 116.586,80.264 h0.5 r180
R45: Mechanical 1 "R?" at 120.904,77.978 h0.5 r180
R46: Mechanical 1 "R?" at 127.254,55.372 h0.5 r270
R47: Mechanical 1 "R?" at 112.268,80.264 h0.5 r180
R48: Mechanical 1 "R?" at 120.904,80.264 h0.5 r180
R49: Mechanical 1 "R?" at 129.794,55.372 h0.5 r270
R50: Mechanical 1 "R?" at 115.57,60.452 h0.5 r270
R51: Mechanical 1 "R?" at 138.938,67.818 h0.5 r180
R52: Mechanical 1 "R?" at 139.192,71.12 h0.5 r180
R53: Mechanical 1 "R?" at 113.03,60.452 h0.5 r270
S2: Mechanical 1 "D1" at 29.771,69.964 h1 r180; Mechanical 1 "D0" at 29.771,68.264 h1 r180; Mechanical 1 "VSS2" at 29.771,65.864 h1 r180; Mechanical 1 "CLK" at 29.771,63.364 h1 r180; Mechanical 1 "VDD" at 29.771,60.914 h1 r180; Mechanical 1 "VSS1" at 29.771,59.214 h1 r180; Mechanical 1 "CMD" at 29.771,55.864 h1 r180; Mechanical 1 "D3" at 29.771,53.364 h1 r180; Mechanical 1 "D2" at 29.771,50.864 h1 r180
SB1: Mechanical 1 "PAD?" at 121.92,80.264 h0.8
SB2: Mechanical 1 "PAD?" at 115.316,80.264 h0.8 r180
SB3: Mechanical 1 "PAD?" at 102.87,80.264 h0.8
SW5: Mechanical 1 "SW?" at 76.642,50.925 h1 r270
SW6: Mechanical 1 "SW?" at 136.734,20.312 h1 r180
TB1: Mechanical 1 "CN?" at 138.4,54.927 h1 r270; Mechanical 1 "4" at 137.9,49.627 h1 r270; Mechanical 1 "1" at 138,60.727 h1 r270
TB2: Mechanical 1 "CN?" at 138.38,40.513 h1 r270; Mechanical 1 "1" at 138.03,42.503 h1 r270; Mechanical 1 "2" at 138.03,38.718 h1 r270
TP1: Mechanical 1 "TP?" at 35.052,42.926 h1
TP2: Mechanical 1 "TP?" at 77,5 h1 r90
TP3: Mechanical 1 "TP?" at 91.948,30.48 h1 r90
TP4: Mechanical 1 "TP?" at 81.534,30.734 h1 r90
TP5: Mechanical 1 "TP?" at 86.614,30.48 h1 r90
TP6: Mechanical 1 "TP?" at 101.6,30.48 h1 r90
TP7: Mechanical 1 "TP?" at 96.52,27.94 h1
U1: Mechanical 1 "28" at 56.824,70.728 h1 r180; Mechanical 1 "15" at 49.324,70.728 h1 r180; Mechanical 1 "14" at 49.224,73.528 h1 r180
U2: Mechanical 1 "28" at 72.97,72.782 h1; Mechanical 1 "15" at 80.47,72.782 h1; Mechanical 1 "14" at 80.57,69.982 h1